# Altium PCB FPC-L-V2.1.PcbDoc
Units mm, origin at the board's own origin, x right, y up, seen from the top; angles counter-clockwise.
Board outline 16.62 x 30.56 mm, 2 copper layers (Top Layer, Bottom Layer); 10 components, 11 nets, 36 pads, 44 vias.
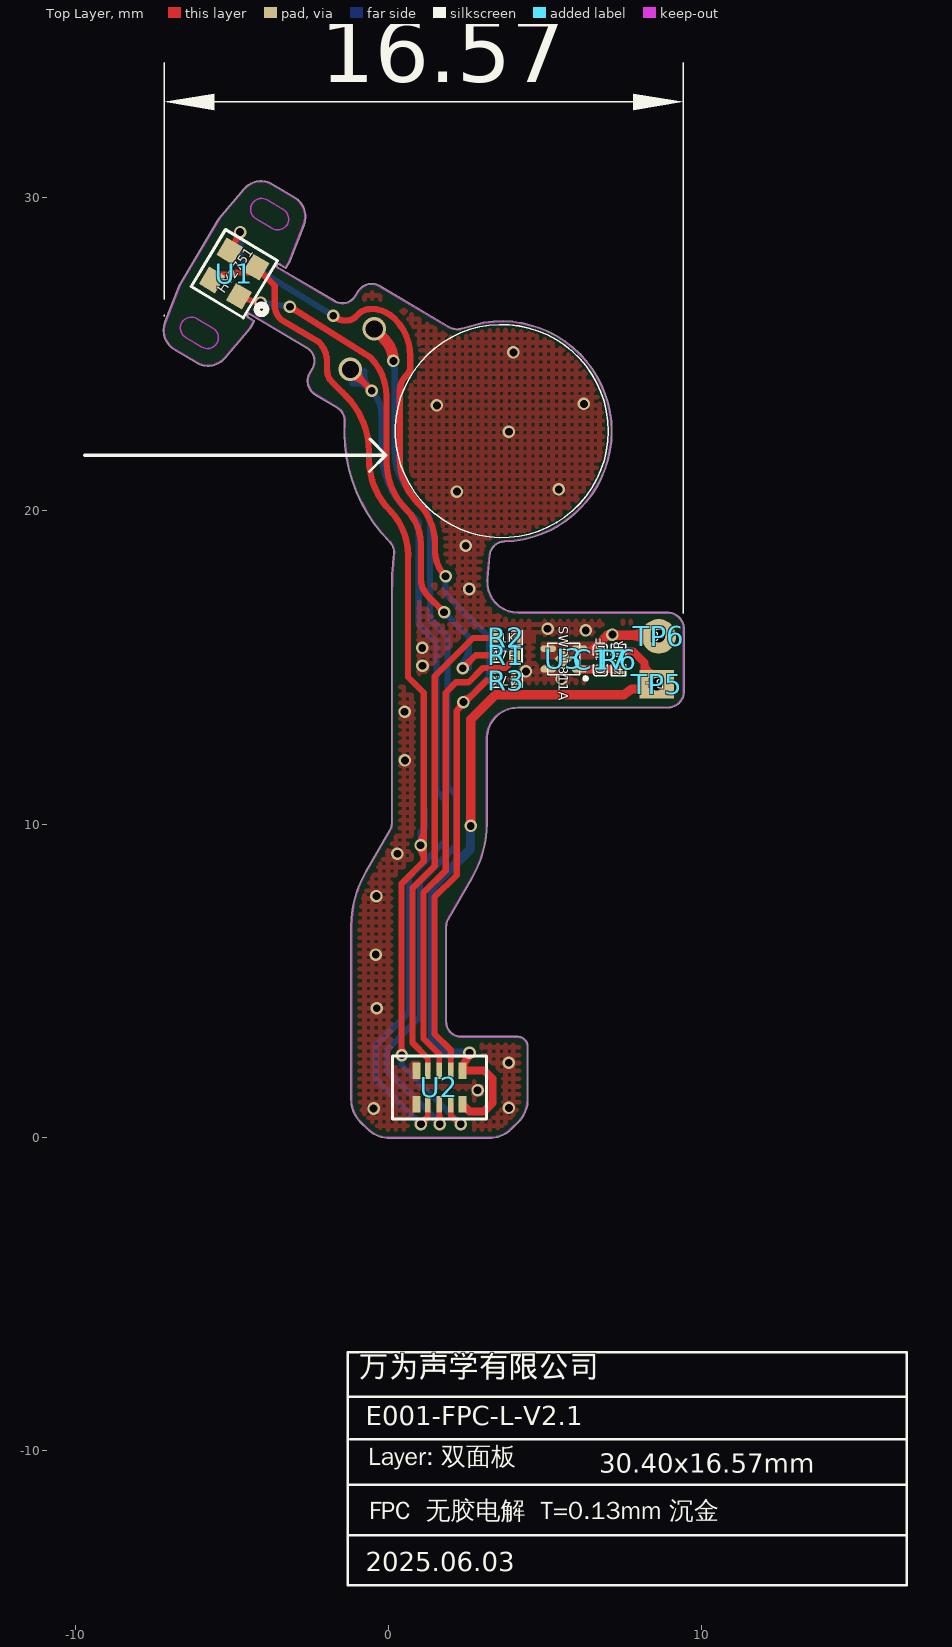
[diagram p0: Top Layer view]
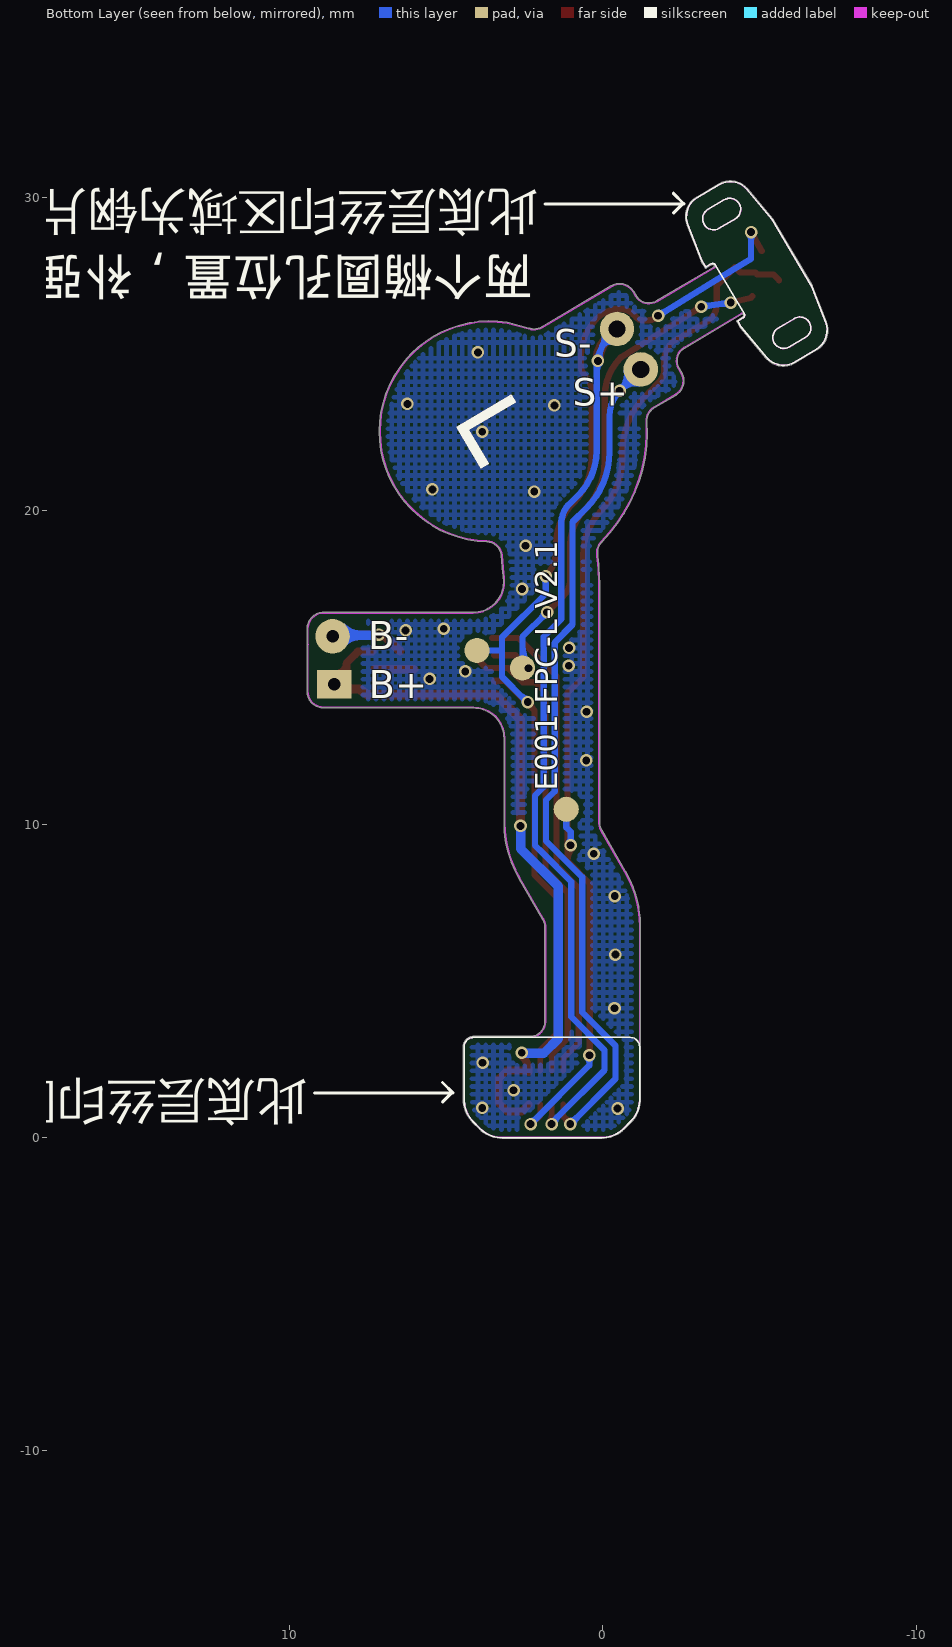
[diagram p1: Bottom Layer view, seen from below]
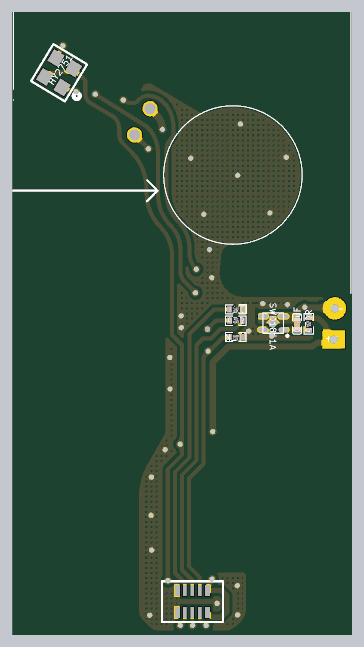
[diagram p2: 3D render of the assembled board from above, using the file's embedded part models]

## Layer stack, top to bottom
Top Layer: signal copper 0.0356
Dielectric: dielectric 0.32, FR-4, Dk 4.8
Bottom Layer: signal copper 0.0356

## Board outline
1245 vertices, not listed, extent -7.18,-0.022 9.44,30.533

## Design rules (kind name [scope] priority, off if disabled: settings)
Clearance [All] p1: gap=0.15
ComponentClearance [All] p1: gap=0 collisioncheckmode=3 verticalgap=0 showdistances=FALSE
HoleToHoleClearance [All] p1: gap=0 allowstackedmicrovias=TRUE
MinimumSolderMaskSliver [All] p1: minsoldermaskwidth=0
PlaneConnect [All] p1: planeconnectstyle=Direct reliefexpansion=0.508 reliefentries=4 reliefconductorwidth=0.254 reliefairgap=0.254
PolygonConnect [All] p1: connectstyle=Direct reliefconductorwidth=0.254 reliefentries=4 polygonreliefangle="45 Angle"
RoutingVias [All] p1: holewidth=0.25 width=0.4 viastyle="Through Hole" minholewidth=0.2 minwidth=0.4 maxholewidth=0.711 maxwidth=1.27
SilkToSilkClearance [All] p1: silktosilkclearance=0
SilkscreenOverComponentPads SilkToSolderMaskClearance [IsPad] p1: minsilkscreentomaskgap=0
SolderMaskExpansion [All] p1: expansion=0.05
Width [All] p1: maxlimit=0.5 minlimit=0.15 preferedwidth=0.15
22 further rules are at their usual default settings.

## Components (designator, comment, footprint, x,y, rotation, side; value= is the part's Value field where it differs from the comment)
C17 "0.1uF" C0201 6.77,15.535 r270 top
R1 "47R" R0201 3.47,15.4 r0 top
R2 "1K" R0201 4.06,15.95 r180 top
R3 "47K" R0201 4.055,14.59 r180 top
R6 "470R" R0201 7.35,15.535 r270 top
TP5 "B+" TP#1 8.57,14.47 r60 top
TP6 "B-" TP#2 8.63,16 r90 top
U1 "HY2751" SMD_HY -4.917,27.574 r239 top
U2 "" KX035GM-08 1.63,1.6 r0 top
U3 "SWD1811A" DFN1X1-4 6.103,14.955 r90 top

## Footprints (in the part's own frame and the unit in brackets; to place one, negate y for a bottom-side part, rotate by r counter-clockwise, add the part's x,y. Pads: shape width x height; smd on the part's side, far side on the other; paste and mask are expansions set on the pad)
C0201 [mm]
  rect 0.3x0.3 smd: 1(0,0) 2(0.58,0)
  silkscreen extent -0.22,-0.23 0.8,0.22, body extent 0,-0.15 0.6,0.15, height 0.15
DFN1X1-4 [mm]
  rect 0.4x0.4 smd rot 45: 0(0.325,0.513)
  oval 0.22x0.5 smd: 1(0,0) 2(0.65,0) 3(0.65,1) 4(0,1)
  silkscreen extent -0.35,-0.25 0.83,1.01
KX035GM-08 [mm]
  rect 0.18x0.53 smd: 1(-0.367,-0.54) 2(0,-0.54) 3(0.367,-0.54) 5(0.367,0.54) 6(0,0.54) 7(-0.367,0.54)
  rect 0.25x0.53 smd: 4(0.735,-0.54) 4(0.735,0.54) 8(-0.735,-0.54) 8(-0.735,0.54)
  silkscreen extent -1.5,-1 1.5,1
R0201 [mm]
  rect 0.3x0.3 smd: 1(0,0) 2(0.58,0)
  silkscreen extent -0.22,-0.23 0.8,0.22, body extent 0,-0.15 0.6,0.15, height 0.15
SMD_HY [mm]
  rect 0.65x0.6 smd: 1(0.54,0.5) 2(-0.54,0.5) 3(-0.54,-0.5) 4(0.54,-0.5)
  silkscreen extent -1.06,-0.97 1.06,1.48
TP#1 [mm]
  rect 0.9x1.1 hole 0.4 rot 30: 1(0,0)
TP#2 [mm]
  round 1.1 hole 0.4: 1(0,0)

## Part data
C17: library part CAP, "CAP"
R1: library part RC0201FR-07220RL
R2 R3: library part 0201WMF4702TEE
R6: library part RES, "RES"
TP5 TP6: library part TP-1, "TP"
U2: library part KX035GM-08
U3: library part XB6042

## Free pads (board coordinates)
  round 0.8 smd far side: 0(1.17,10.48) 1(4.02,15.55) 2(2.57,14.99)
  round 1.1 smd far side: 2(-0.45,25.81) 4(-1.21,24.52)

## Via types
v1: diameter 0.4, hole 0.25, Top Layer to Bottom Layer, tented both sides, 42 vias
v2: diameter 0.75, hole 0.55, Top Layer to Bottom Layer, 2 vias

## Nets (pads, with @x,y where several pads share a name; then routed paths per layer and width w, separated by ;. In a path a pad name is that pad's centre, name@x,y a point inside that pad or via, vN(x,y) a via of type N, cw(c..) or ccw(c..) an arc to the next point about the centre after c; other vN are vias at no path point)
BOAT_PL: R2.2 U2.7 | length 15.6
  Top Layer w0.18: U2.7 1.262,2.548
  Top Layer w0.2: 1.245,2.552 0.77,3.027 0.77,7.96 1.48,8.67 1.48,14.723 2.707,15.95 R2.2 R2.2@3.53,15.95
EAR_DET_IO0: R1.2 U2.6 | length 15.2
  Top Layer w0.18: U2.6 1.63,2.57
  Top Layer w0.2: 1.63,2.57 1.63,2.661 1.12,3.171 1.12,7.815 1.83,8.525 1.83,14.2 2.16,14.53 2.559,14.53 3.019,14.99 3.73,14.99 R1.2@4.04,15.3
EAR_DET_IO1: pad.1 R3.2 U1.3 U2.5 | length 41.1
  Top Layer w0.18: U2.5 1.997,2.55
  Top Layer w0.2: U1.3 v1(-4.73,28.9) ; -1.065,26.177 -0.962,26.281 cw(c-0.553,25.871) -0.553,26.45 ; -0.544,26.45 cw(c-0.553,25.381) 0.204,26.136 cw(c-0.995,24.938) 0.7,24.938 0.7,24.622 cw(c0.285,24.622) 0.579,24.329 0.565,24.315 ccw(c1.06,23.82) 0.36,23.82 0.36,22.3 ; 0.36,22.152 0.36,22.3 ; 1.49,18.608 1.49,18.728 ; v1@1.77,17.92 v1(1.825,17.92) ; v1@1.775,17.92 v1(1.825,17.92) ; 1.99,2.55 1.99,2.796 1.47,3.316 1.47,7.67 2.18,8.38 2.18,13.628 v1@2.397,13.846 ; 2.207,13.655 ccw(c1.987,13.876) v1@2.298,13.894 ; v1@2.452,13.9 3.132,14.581 R3.2@3.465,14.581 ; R3.2@3.425,14.54 R3.2@3.465,14.581 ; -4.848,28.689 ccw(c-5.058,28.807) -4.826,28.873 cw(c-5.058,28.807) -4.848,28.689 ; -4.848,28.689 cw(c-4.637,28.572) -4.703,28.804 ccw(c-4.637,28.572) -4.848,28.689 ; v1@-1.759,26.229 ccw(c-1.4,26.587) -1.4,26.08 -1.398,26.08 ; v1@-1.759,26.229 cw(c-1.398,26.592) v1(-1.76,26.23) v1@-1.759,26.229 ; v1@-1.759,26.229 ccw(c-1.398,26.592) -1.398,26.08 ; -1.398,26.08 -1.3,26.08 ; -1.3,26.08 ccw(c-1.3,26.412) -1.066,26.177 cw(c-1.3,26.412) -1.3,26.08 ; 0.36,22.3 0.36,21.674 ccw(c2.374,21.674) 0.95,20.25 cw(c-0.354,18.946) 1.49,18.946 1.49,18.728 ; 1.49,18.728 ccw(c2.633,18.728) v1(1.825,17.92) ; R3.2@3.465,14.581 R3.2 3.472,14.581 R3.2@3.465,14.581 ; v1@2.397,14 ccw(c2.397,14.372) 2.661,14.109 cw(c2.397,14.372) v1@2.397,14
  Bottom Layer w0.2: v1(-4.73,28.9) -4.73,28.05 -4.49,27.903 -4.021,27.615 v1(-1.76,26.23) ; 1.825,17.362 3.22,15.966 3.22,15.55 ; 1.825,17.38 v1(1.825,17.92) ; v1(2.397,13.9) v1@2.417,13.92 ; v1@2.4,13.92 v1@2.417,13.92 ; v1@2.49,13.92 v1@2.417,13.92 ; v1@2.49,13.98 3.22,14.71 3.22,15.55 ; 2.559,14.049 ccw(c2.709,13.9) 2.497,13.9 cw(c2.739,13.9) 2.568,14.071 cw(c2.397,14.241) 2.397,14 ccw(c2.397,14.272) 2.59,14.08 ; pad.1@3.94,15.56 3.93,15.55 3.22,15.55 ; -4.73,28.659 ccw(c-4.971,28.659) -4.801,28.829 cw(c-4.971,28.659) -4.73,28.659 ; -4.73,28.659 cw(c-4.489,28.659) -4.659,28.829 ccw(c-4.489,28.659) -4.73,28.659 ; -1.966,26.356 ccw(c-1.84,26.562) -1.783,26.327 cw(c-1.84,26.562) -1.966,26.356 ; -1.966,26.356 cw(c-2.092,26.15) -1.857,26.207 ccw(c-2.092,26.15) -1.966,26.356 ; 1.825,17.679 ccw(c1.583,17.679) 1.754,17.849 cw(c1.583,17.679) 1.825,17.679 ; 1.825,17.679 cw(c2.066,17.679) 1.896,17.849 ccw(c2.066,17.679) 1.825,17.679
GND: R2.1 R3.1 U2.8 U3.4
  other v1: -0.47,0.93 3.85,0.95 2.85,1.51 3.84,2.39 -0.37,4.13 -0.4,5.84 -0.38,7.71 0.29,9.06 0.53,12.04 0.52,13.59 5.53,14.64 4.391,14.88 1.09,15.06 1.08,15.63 6.3,16.19 5.08,16.24 2.58,17.51 2.47,18.89 2.19,20.62 5.44,20.69 3.85,22.53 1.55,23.37 6.24,23.42 3.99,25.06
IOVDD: pad.0 U1.2 U1.4 U2.3 | length 38.6
  Top Layer w0.18: U2.3 1.997,0.704 ; 2,0.701 1.997,0.704 ; v1(2.31,0.43) 2.266,0.43 1.997,0.699 1.997,0.704
  Top Layer w0.2: U1.4 -5.441,27.552 -4.92,27.552 -4.86,27.612 -4.378,27.612 U1.2 -4.21,27.771 -3.63,27.191 -3.63,26.588 ccw(c-2.965,26.588) -3.435,26.118 ; -3.42,26.11 -2.203,25.383 ; -2.205,25.38 cw(c-2.797,24.788) -1.96,24.788 -1.96,24.52 ccw(c-1.381,24.52) -1.791,24.111 -1.475,23.795 ; -1.265,23.585 -1.475,23.795 ; 0.023,20.047 cw(c-1.453,18.57) 0.635,18.57 ; 0.083,19.987 cw(c0.066,19.97) 0.09,19.97 cw(c1.804,21.684) -0.62,21.684 -0.62,21.888 ccw(c-3.16,21.888) -1.364,23.684 -1.475,23.795 ; v1@0.42,2.64 0.42,8.105 1.13,8.815 v1@1.13,9.28 ; 0.63,18.66 0.63,18.19 0.63,16.42 0.63,16.31 0.63,14.7 1.13,14.2 v1@1.13,9.28 ; v1@0.959,9.259 cw(c0.547,8.847) 1.13,8.847 ; v1@0.959,9.401 ccw(c0.547,9.813) 1.13,9.813 ; v1(1.03,9.33) 1.08,9.28 v1@1.13,9.28 ; v1@0.359,2.701 ccw(c0.213,2.847) 0.42,2.847 ; v1@0.359,2.701 ccw(c0.213,2.847) 0.42,2.847 ; v1@0.359,2.701 ccw(c0.213,2.847) 0.42,2.847 ; 0.42,2.896 ccw(c0.696,2.896) v1@0.501,2.701 ; 0.42,2.896 ccw(c0.696,2.896) v1@0.501,2.701 ; 0.42,2.896 ccw(c0.696,2.896) v1@0.501,2.701
  Bottom Layer w0.2: v1(0.43,2.63) 0.43,2.31 v1(2.31,0.43) ; v1@0.959,9.401 ccw(c0.789,9.571) 1.03,9.571 ccw(c1.271,9.571) v1@1.101,9.401 ; v1@1,9.36 v1(1.03,9.33) 1.03,9.76 1.17,9.9 pad.0 ; 0.43,2.389 ccw(c0.189,2.389) 0.359,2.559 cw(c0.189,2.389) 0.43,2.389 ; 0.43,2.389 cw(c0.671,2.389) 0.501,2.559 ccw(c0.671,2.389) 0.43,2.389 ; 2.139,0.601 ccw(c2.31,0.771) 2.31,0.53 cw(c2.31,0.771) 2.139,0.601 ; 2.139,0.601 cw(c1.969,0.43) 2.21,0.43 ccw(c1.969,0.43) 2.139,0.601
NetC17_2: C17.2 R6.2 U3.1 | length 2
  Top Layer w0.25: U3.1@6.013,14.945 6.02,14.953 6.72,14.953 7.292,14.953 R6.2@7.3,14.96 ; U3.1@6.045,14.945 C17.2@6.72,14.945
NetR1_1: pad.2@2.57,14.99 R1.1 U1.1 | length 23.7
  Top Layer w0.2: U1.1 -4.709,26.797 v1(-4.08,26.65) ; v1(-3.14,26.52) -0.58,24.91 cw(c-1.835,23.655) -0.06,23.655 -0.06,21.585 ; -0.06,21.45 -0.06,21.585 ; 1.266,17.284 cw(c1.813,17.83) 1.04,17.83 1.04,18.929 ccw(c-0.531,18.929) 0.58,20.04 cw(c2.125,21.585) -0.06,21.585 ; 1.266,17.284 v1(1.78,16.77) 1.75,16.77 v1@1.74,16.76 ; v1@1.68,16.77 ccw(c1.439,16.77) 1.609,16.941 ccw(c1.78,17.111) v1@1.78,16.87 ; v1@2.373,15.08 ccw(c2.373,15.321) 2.544,15.151 ccw(c2.714,14.98) v1@2.473,14.98 ; v1@2.43,15.037 2.793,15.4 R1.1 ; -4.315,26.705 ccw(c-4.26,26.94) -4.133,26.735 cw(c-4.26,26.94) -4.315,26.705 ; -4.315,26.705 cw(c-4.37,26.47) -4.165,26.597 ccw(c-4.37,26.47) -4.315,26.705 ; -2.936,26.391 ccw(c-3.064,26.187) -3.118,26.422 cw(c-3.064,26.187) -2.936,26.391 ; -2.936,26.391 cw(c-2.807,26.596) -3.042,26.542 ccw(c-2.807,26.596) -2.936,26.391
  Bottom Layer w0.2: v1(-4.08,26.65) -3.803,26.612 v1(-3.14,26.52) ; v1@1.78,16.67 cw(c1.78,16.429) 1.951,16.599 cw(c2.121,16.77) v1@1.88,16.77 ; v1@1.81,16.74 2.57,15.98 pad.2@2.57,14.99 ; pad.2@2.302,15.051 ccw(c1.656,15.697) 2.57,15.697 ; pad.2@2.444,14.909 ccw(c2.139,15.214) pad.2@2.57,15.214 ; v1@-4.02,26.57 cw(c-3.874,26.378) -3.841,26.617 ; v1@-4.02,26.57 cw(c-3.874,26.378) -3.841,26.617 ; v1@-4.02,26.57 cw(c-3.874,26.378) -3.841,26.617 ; v1@-4.02,26.57 cw(c-3.874,26.378) -3.841,26.617 ; v1@-4.02,26.57 cw(c-3.874,26.378) -3.841,26.617 ; v1@-4.02,26.57 cw(c-3.874,26.378) -3.841,26.617 ; v1@-4,26.71 ccw(c-3.808,26.856) -3.841,26.617 ; v1@-4,26.71 ccw(c-3.808,26.856) -3.841,26.617 ; v1@-4,26.71 ccw(c-3.808,26.856) -3.841,26.617 ; v1@-4,26.71 ccw(c-3.808,26.856) -3.841,26.617 ; v1@-4,26.71 ccw(c-3.808,26.856) -3.841,26.617 ; v1@-4,26.71 ccw(c-3.808,26.856) -3.841,26.617 ; -3.379,26.553 ccw(c-3.346,26.792) -3.2,26.6 cw(c-3.346,26.792) -3.379,26.553 ; -3.379,26.553 cw(c-3.412,26.314) -3.22,26.46 ccw(c-3.412,26.314) -3.379,26.553
  other v1: 2.373,14.98
SPKN: pad.2@-0.45,25.81 U2.2 | length 33
  Top Layer w0.18: v1@1.63,0.47 U2.2 ; v1@1.562,0.508 ccw(c1.399,0.671) 1.63,0.671 cw(c1.399,0.671) v1@1.562,0.508 ; 1.63,0.72 ccw(c1.93,0.72) 1.718,0.508 cw(c1.93,0.72) 1.63,0.72
  Top Layer w0.2: v2(-0.45,25.81) v2@-0.189,25.549 ; v2@-0.189,25.549 cw(c-1.009,24.73) 0.15,24.73 0.18,24.76 0.16,24.78 v1(0.16,24.79) ; v1@1.63,0.47 v1@1.65,0.45
  Top Layer w0.35: v2(-0.45,25.81) -0.189,25.549 -0.137,25.497 cw(c-0.854,24.78) v1(0.16,24.79) cw(c-0.854,24.78) v1@0.16,24.78
  Bottom Layer w0.2: v2(-0.45,25.81) -0.189,25.549 cw(c-1.009,24.73) 0.15,24.73 0.18,24.76 0.16,24.78 v1(0.16,24.79) ; v1@0.089,24.719 cw(c-0.178,24.452) 0.2,24.452 ; 0.2,22.399 0.2,22.51 ; v1@0.2,24.67 0.2,22.51 ; 1.32,19.65 ccw(c0.547,19.65) 1.094,20.196 0.79,20.5 cw(c2.214,21.924) 0.2,21.924 0.2,22.51 ; 1.33,19.67 1.33,16.96 1.33,16.55 1.89,15.99 1.89,11.194 2.017,11.067 2.17,10.914 2.17,10.43 2.17,9.33 1.925,9.085 1.01,8.17 1.01,7.9 1.01,3.855 -0.05,2.795 -0.05,2.156 1.444,0.663 ; v1@1.608,0.498 v1@1.64,0.466 ; v1(1.64,0.43) v1@1.64,0.466 ; 1.444,0.663 cw(c1.211,0.43) 1.54,0.43 ccw(c1.211,0.43) 1.444,0.663 ; 1.444,0.663 v1@1.64,0.466
SPKP: pad.4 U2.1 | length 37.7
  Top Layer w0.18: v1(1.04,0.43) 1.04,0.452 1.262,0.675 U2.1 ; v1@1.04,0.54 ccw(c1.04,0.752) 1.19,0.602 cw(c1.04,0.752) v1@1.04,0.54 ; v1@1.15,0.43 cw(c1.469,0.43) 1.244,0.656 ccw(c1.469,0.43) v1@1.15,0.43
  Top Layer w0.2: v2(-1.21,24.52) v1(-0.53,23.84) ; v1@-0.63,23.84 ccw(c-0.871,23.84) -0.701,24.011 ccw(c-0.53,24.181) v1@-0.53,23.94 ; -0.783,24.093 ccw(c-1.21,23.666) -1.21,24.27 cw(c-1.21,23.666) -0.783,24.093 ; -0.783,24.093 cw(c-0.356,24.52) -0.96,24.52 ccw(c-0.356,24.52) -0.783,24.093
  Bottom Layer w0.2: v2(-1.21,24.52) v1@-0.564,23.874 ; pad.4@-1.152,24.074 cw(c-1.061,23.376) v1@-0.564,23.874 ; pad.4@-0.764,24.462 ccw(c-0.066,24.371) v1@-0.564,23.874 ; v1@-0.63,23.84 ccw(c-0.871,23.84) -0.701,24.011 ccw(c-0.53,24.181) v1@-0.53,23.94 ; -0.21,21.87 -0.21,23.02 ; -0.209,21.881 ccw(c2.331,21.881) 0.535,20.085 0.97,19.65 0.97,16.376 1.53,15.816 1.53,15.8 1.54,15.79 1.54,11.049 1.82,10.769 1.82,9.475 0.66,8.315 0.66,4 -0.4,2.94 -0.4,1.87 v1(1.04,0.43) ; pad.4@-1.21,24.27 cw(c-1.21,23.666) -0.783,24.093 ; pad.4@-1.21,24.27 cw(c-1.21,23.666) -0.783,24.093 ; pad.4@-1.21,24.27 cw(c-1.21,23.666) -0.783,24.093 ; pad.4@-0.96,24.52 ccw(c-0.356,24.52) -0.783,24.093 ; pad.4@-0.96,24.52 ccw(c-0.356,24.52) -0.783,24.093 ; pad.4@-0.96,24.52 ccw(c-0.356,24.52) -0.783,24.093 ; v1@-0.564,23.874 cw(c-1.417,23.02) -0.21,23.02 ; v1@-0.564,23.874 cw(c-1.417,23.02) -0.21,23.02 ; 0.869,0.601 ccw(c1.04,0.771) 1.04,0.53 cw(c1.04,0.771) 0.869,0.601 ; 0.869,0.601 cw(c0.699,0.43) 0.94,0.43 ccw(c0.699,0.43) 0.869,0.601
VBAT: R6.1 TP5.1 U2.4 | length 24.3
  Top Layer w0.25: U2.4@2.365,1.06 2.593,0.832 3.052,0.832 3.325,1.105 3.325,1.883 3.07,2.138 ; U2.4@2.365,2.097 cw(c3.066,2.097) v1@2.636,2.651 ; U2.4@2.365,2.14 3.07,2.14 ; R6.1@7.35,15.515 7.815,15.515 7.905,15.425 8.175,15.155 ; TP5.1@8.502,14.793 cw(c8.538,15.155) 8.175,15.155 ; TP5.1 8.175,14.865 8.175,15.155
  Top Layer w0.3: v1(2.63,9.95) 2.63,13.345 3.418,14.134 7.514,14.134 7.77,14.32 TP5.1@8.48,14.32
  Bottom Layer w0.3: v1@2.58,2.69 1.89,2.69 1.42,3.16 1.42,8.014 2.621,9.216 2.621,9.941 v1(2.63,9.95)
  other v1: 2.59,2.71
VBAT-: C17.1 TP6.1 U3.0 U3.2 U3.3 | length 4.1
  Top Layer w0.3: 6.49,15.54 6.985,16.035 7.146,16.035 v1@7.25,16.035 ; v1@7.004,16.016 7.111,16.016 v1(7.15,16.055) ; v1@7.075,16.035 v1@7.205,16.035 ; v1@7.2,16.04 v1@7.205,16.035 ; TP6.1@8.64,16.03 8.635,16.035 v1@7.205,16.035
  Bottom Layer w0.3: v1@7.2,16.04 7.205,16.035 8.635,16.035 TP6.1@8.64,16.03

## Polygon pours and split planes (outlines as drawn)
VBAT- on Top Layer "Top Layer-No Net" (solid, remove dead copper, pour order 1000): 4.86,15.78 4.86,15.27 6.92,15.27 6.92,15.774 6.89,15.793 6.85,15.82 5.079,15.82 4.92,15.82 4.86,15.78
GND on Top Layer "Top Layer-No Net" (hatched 90Degree grid 0.25 track 0.15, remove dead copper, pour order 1001): -7.2,30.73 -7.17,30.7 -7.17,-0.05 9.47,-0.05 9.53,0.01 9.7,0.18 9.7,30.82 -7.05,30.82 -7.11,30.76
GND on Top Layer "Top Layer-No Net" (solid, remove dead copper, pour order 1002): 3.78,16.17 3.79,16.16 3.79,15.78 4.69,15.78 4.7,15.77 4.71,15.78 4.71,16.17 3.81,16.17 3.79,16.15
GND on Bottom Layer "Top Layer-No Net" (hatched 90Degree grid 0.25 track 0.15, remove dead copper, pour order 1003): -7.32,30.73 -7.32,-0.15 9.32,-0.15 9.51,0.04 9.61,0.14 9.61,30.77 -7.23,30.77 -7.37,30.63

## Keep-outs
Keep-Out Layer:
  circle w0.025: c9.415,15.739 r0.012
  circle w0.025: c-7.156,25.764 r0.012
  lines w0.05: -6.674,27.126 cw(c-6.385,27.057) -6.668,27.148 -6.666,27.152 cw(c-6.388,27.058) -6.665,27.157 cw(c-6.385,27.057) -6.663,27.162 cw(c-6.383,27.056) -6.66,27.168 cw(c-6.38,27.055) -6.658,27.175 cw(c-6.377,27.054) -6.654,27.182 cw(c-6.374,27.053) -6.65,27.192 -6.647,27.196 -6.646,27.198 -6.645,27.201 -6.644,27.203 -6.642,27.205 -6.641,27.207 -6.64,27.209 -5.418,29.275 -5.418,29.276 cw(c-5.141,29.109) -5.414,29.281 cw(c-5.144,29.111) -5.411,29.286 -5.408,29.291 -5.405,29.295 -5.402,29.299 -5.399,29.303 -5.397,29.307 -5.394,29.31 cw(c-5.164,29.126) -5.378,29.328 ; -6.662,27.165 -7.108,26.018 ccw(c-6.456,25.764) -6.812,25.161 -6.114,24.749 ccw(c-5.757,25.351) -5.221,24.902 -4.431,25.846 -4.429,25.847 -4.427,25.85 -4.424,25.853 -4.422,25.856 -4.42,25.86 -4.417,25.863 -4.414,25.867 -4.412,25.871 -4.409,25.875 ccw(c-4.677,26.05) -4.406,25.88 ccw(c-4.68,26.052) -4.402,25.886 -4.3,26.058 -4.472,26.16 cw(c-4.414,26.255) -4.477,26.162 cw(c-4.415,26.254) -4.48,26.164 cw(c-4.416,26.253) -4.482,26.166 cw(c-4.416,26.252) -4.485,26.168 cw(c-4.417,26.251) -4.486,26.17 cw(c-4.418,26.25) -4.488,26.171 cw(c-4.418,26.25) -4.49,26.173 cw(c-4.419,26.249) -4.491,26.174 cw(c-4.42,26.248) -4.493,26.175 cw(c-4.421,26.247) -4.494,26.177 cw(c-4.421,26.247) -4.495,26.178 cw(c-4.422,26.246) -4.497,26.18 cw(c-4.423,26.245) -4.498,26.181 cw(c-4.424,26.245) -4.499,26.182 cw(c-4.424,26.244) -4.5,26.184 cw(c-4.426,26.243) -4.502,26.187 cw(c-4.425,26.243) -4.504,26.189 cw(c-4.424,26.244) -4.505,26.191 cw(c-4.424,26.244) -4.507,26.194 cw(c-4.423,26.245) -4.509,26.197 cw(c-4.421,26.246) -4.517,26.216 cw(c-4.422,26.246) -4.519,26.221 cw(c-4.421,26.246) -4.522,26.242 cw(c-4.422,26.246) -4.522,26.247 cw(c-4.423,26.246) -4.521,26.25 cw(c-4.424,26.246) -4.521,26.253 cw(c-4.425,26.246) -4.521,26.256 cw(c-4.426,26.246) -4.52,26.26 cw(c-4.426,26.246) -4.52,26.262 cw(c-4.425,26.246) -4.52,26.264 cw(c-4.424,26.246) -4.52,26.266 cw(c-4.423,26.245) -4.519,26.267 cw(c-4.422,26.245) -4.519,26.269 cw(c-4.421,26.245) -4.518,26.271 cw(c-4.42,26.245) -4.518,26.273 cw(c-4.419,26.244) -4.517,26.274 cw(c-4.418,26.244) -4.517,26.276 cw(c-4.417,26.244) -4.516,26.278 cw(c-4.416,26.243) -4.515,26.281 cw(c-4.415,26.243) -4.514,26.283 cw(c-4.414,26.243) -4.513,26.285 cw(c-4.413,26.242) -4.512,26.288 cw(c-4.412,26.242) -4.51,26.291 cw(c-4.411,26.241) -4.508,26.297 -4.487,26.332 ; -5.39,29.315 -4.6,30.259 cw(c-4.063,29.809) -3.707,30.412 -3.009,29.999 cw(c-3.365,29.397) -2.713,29.143 -3.159,27.996 -3.16,27.992 -3.162,27.989 -3.163,27.985 -3.165,27.981 -3.167,27.977 -3.169,27.973 -3.171,27.969 -3.173,27.964 -3.176,27.959 cw(c-3.459,28.114) -3.179,27.954 -3.18,27.951 -3.282,27.779 -3.454,27.881 ccw(c-3.509,27.785) -3.461,27.885 ccw(c-3.509,27.786) -3.465,27.886 ccw(c-3.508,27.787) -3.468,27.888 ccw(c-3.508,27.788) -3.47,27.889 ccw(c-3.508,27.789) -3.473,27.889 ccw(c-3.507,27.79) -3.475,27.89 ccw(c-3.507,27.791) -3.477,27.891 ccw(c-3.507,27.792) -3.479,27.891 ccw(c-3.506,27.793) -3.481,27.892 ccw(c-3.506,27.794) -3.483,27.892 -3.484,27.893 ccw(c-3.506,27.796) -3.486,27.893 ccw(c-3.505,27.797) -3.488,27.893 ccw(c-3.505,27.798) -3.489,27.894 ccw(c-3.505,27.799) -3.491,27.894 ccw(c-3.505,27.799) -3.495,27.894 ccw(c-3.505,27.798) -3.499,27.895 ccw(c-3.505,27.797) -3.503,27.895 ccw(c-3.505,27.796) -3.508,27.895 ccw(c-3.505,27.795) -3.514,27.895 ccw(c-3.505,27.794) -3.551,27.884 ccw(c-3.506,27.796) -3.556,27.881 ccw(c-3.507,27.797) -3.559,27.879 ccw(c-3.507,27.798) -3.562,27.877 ccw(c-3.508,27.799) -3.565,27.875 ccw(c-3.508,27.799) -3.567,27.874 ccw(c-3.507,27.798) -3.568,27.873 ccw(c-3.506,27.797) -3.57,27.872 ccw(c-3.506,27.796) -3.571,27.87 ccw(c-3.505,27.795) -3.572,27.869 ccw(c-3.504,27.795) -3.574,27.868 ccw(c-3.504,27.794) -3.575,27.867 ccw(c-3.503,27.793) -3.576,27.865 ccw(c-3.502,27.792) -3.578,27.864 ccw(c-3.501,27.792) -3.58,27.862 ccw(c-3.5,27.791) -3.581,27.86 ccw(c-3.499,27.79) -3.583,27.858 ccw(c-3.499,27.789) -3.585,27.855 ccw(c-3.498,27.789) -3.588,27.852 ccw(c-3.497,27.788) -3.591,27.846 -3.612,27.81 ; -4.48,26.336 -4.431,26.309 ; -4.439,26.314 -2.589,25.22 cw(c-2.843,24.789) -2.413,24.535 -2.489,24.406 ccw(c-2.059,24.151) -2.313,23.721 -1.624,23.313 cw(c-1.878,22.883) -1.379,22.852 ccw(c3.611,22.541) 0.052,19.029 0.055,19.026 0.058,19.023 0.06,19.02 0.063,19.017 0.066,19.014 0.068,19.011 0.071,19.008 0.074,19.005 0.077,19.002 cw(c-0.301,18.678) 0.129,18.928 cw(c-0.294,18.682) 0.138,18.913 0.141,18.907 cw(c-0.321,18.669) 0.189,18.767 0.19,18.761 0.191,18.755 0.192,18.749 0.193,18.743 0.194,18.737 0.195,18.73 cw(c-0.279,18.676) 0.196,18.72 cw(c-0.285,18.676) 0.197,18.711 cw(c-0.29,18.675) 0.197,18.701 cw(c-0.295,18.675) 0.198,18.69 cw(c-0.3,18.675) 0.198,18.677 cw(c-0.305,18.675) 0.198,18.662 cw(c-0.31,18.675) 0.197,18.642 cw(c-0.314,18.675) 0.195,18.617 ccw(c3.343,18.256) 0.189,18.559 0.164,18.302 ccw(c7.049,17.648) 0.141,17.987 0.141,17.985 0.141,17.98 0.141,17.975 0.14,17.97 0.14,17.965 0.14,17.96 0.14,17.955 0.14,17.95 0.139,17.946 0.139,17.941 0.139,17.936 0.139,17.931 0.139,17.927 0.138,17.922 0.138,17.917 0.138,17.913 0.138,17.909 0.138,17.904 0.138,17.9 0.137,17.895 0.137,17.891 0.137,17.887 0.137,17.883 0.137,17.878 0.137,17.874 0.136,17.87 0.136,17.866 0.136,17.862 0.136,17.858 0.136,17.854 0.136,17.85 0.136,17.847 0.136,17.843 0.135,17.839 0.135,17.835 0.135,17.831 0.135,17.828 0.135,17.824 0.135,17.821 0.135,17.817 0.135,17.813 0.135,17.809 0.135,17.805 0.134,17.801 0.134,17.798 0.134,17.794 0.134,17.79 0.134,17.787 0.134,17.783 0.134,17.779 0.134,17.776 0.134,17.772 0.134,17.769 0.134,17.765 ccw(c13.99,17.447) 0.132,17.66 ccw(c14.561,17.425) 0.13,17.322 0.13,10.053 cw(c-0.374,10.053) 0.122,9.966 cw(c-0.372,10.054) 0.063,9.803 ; -3.614,27.806 -3.556,27.767 ; -3.574,27.777 -1.723,26.683 ccw(c-1.469,27.113) -1.038,26.859 -0.962,26.988 cw(c-0.532,26.733) -0.277,27.164 1.942,25.852 ccw(c2.196,26.282) 2.373,25.814 3.056,25.996 cw(c3.611,22.541) 3.703,19.042 ccw(c3.717,18.542) 3.219,18.59 3.164,18.016 ccw(c12.133,17.201) 3.155,17.91 ccw(c11.043,17.287) 3.147,17.804 ccw(c4.145,17.739) 4.145,16.739 8.915,16.739 cw(c8.915,16.239) 9.415,16.239 9.415,14.239 cw(c8.915,14.239) 8.915,13.739 4.13,13.739 ccw(c4.13,12.739) 3.13,12.739 3.13,10.053 cw(c-0.382,10.054) 3.087,9.504 cw(c-0.375,10.054) 3.057,9.343 cw(c-0.372,10.054) 2.953,8.954 cw(c-0.375,10.055) 2.898,8.8 cw(c-0.381,10.058) 2.661,8.303 1.897,6.98 ; -0.877,0.51 cw(c-0.168,1.219) -1.023,0.696 cw(c-0.167,1.22) -1.045,0.733 cw(c-0.168,1.218) -1.131,0.941 cw(c-0.166,1.218) -1.142,0.983 cw(c-0.168,1.218) -1.17,1.217 -1.17,6.73 cw(c2.342,6.729) -1.127,7.278 cw(c2.335,6.729) -1.097,7.439 cw(c2.332,6.729) -0.993,7.829 cw(c2.335,6.728) -0.938,7.983 cw(c2.341,6.725) -0.701,8.48 0.063,9.803 ; -0.877,0.51 -0.663,0.296 ccw(c0.045,1.005) -0.478,0.15 ccw(c0.046,1.007) -0.44,0.128 ccw(c0.045,1.005) -0.232,0.042 ccw(c0.045,1.007) -0.19,0.031 ccw(c0.044,1.005) 0.044,0.003 3.216,0.003 ccw(c3.215,1.005) 3.45,0.031 ccw(c3.215,1.007) 3.492,0.042 ccw(c3.215,1.005) 3.7,0.128 ccw(c3.214,1.007) 3.738,0.15 ccw(c3.214,1.005) 3.923,0.296 4.137,0.51 ; 1.897,6.98 ccw(c2.332,6.729) 1.838,6.817 ccw(c2.334,6.729) 1.83,6.73 1.83,3.703 ccw(c2.331,3.704) 2.33,3.203 4.13,3.203 4.13,3.203 4.133,3.203 4.135,3.203 4.138,3.203 4.141,3.203 4.143,3.203 4.146,3.203 4.149,3.203 cw(c4.13,2.902) 4.192,3.197 cw(c4.13,2.905) 4.205,3.194 cw(c4.131,2.908) 4.214,3.191 cw(c4.129,2.901) 4.236,3.184 cw(c4.13,2.903) 4.311,3.143 cw(c4.129,2.902) 4.369,3.084 cw(c4.13,2.903) 4.41,3.01 cw(c4.128,2.902) 4.418,2.987 4.418,2.985 cw(c4.134,2.904) 4.421,2.976 cw(c4.129,2.903) 4.429,2.925 4.429,2.922 4.43,2.919 4.43,2.916 4.43,2.913 4.43,2.911 4.43,2.908 4.43,2.906 4.43,2.903 4.43,1.217 cw(c3.428,1.218) 4.402,0.983 cw(c3.426,1.218) 4.391,0.941 cw(c3.428,1.218) 4.305,0.733 cw(c3.426,1.22) 4.283,0.696 cw(c3.428,1.219) 4.137,0.51 ; -6.467,25.538 cw(c-6.288,25.839) -6.11,26.141 -5.594,25.835 cw(c-5.772,25.534) -5.95,25.233 -6.467,25.538 ; -4.227,29.325 cw(c-4.049,29.627) -3.87,29.928 -3.354,29.622 cw(c-3.532,29.321) -3.71,29.02 -4.227,29.325

## Other copper
Bottom Layer:
  pour cut-out: 7.66,16.72 7.66,13.74 9,13.74 9.4,14.14 9.4,16.37 9.03,16.74 7.68,16.74

## Silkscreen, mask and mechanical layers (free items; w line width, h text height)
Top Overlay:
  circle w0.025: c9.415,33.057 r0.012
  circle w0.025: c-7.149,26.236 r0.012
  circle w0.05: c3.621,22.551 r3.4
  region: -5.556,32.79 -7.156,33.057 -5.556,33.323
  region: 9.415,33.057 7.815,32.79 7.815,33.323
  lines w0.05: -7.156,26.764 -7.156,34.307 ; -5.556,33.057 7.815,33.057 ; 9.415,16.739 9.415,34.307
  lines w0.08: -1.29,-8.993 -1.29,-6.903 ; -1.29,-8.93 -1.29,-14.287 16.498,-14.287 ; -1.29,-8.278 16.498,-8.278 ; -1.289,-6.853 16.538,-6.853 16.538,-14.28 ; -1.275,-11.082 16.498,-11.082 ; -1.245,-12.692 16.498,-12.692 ; -1.217,-9.629 16.498,-9.629
  lines w0.1: -9.69,21.78 -0.08,21.78 -0.6,21.26 ; -0.58,22.29 -0.09,21.8 ; -0.09,21.8 -0.09,21.8
  text "16.57" at -2.17,33.682 h2
  text "此顶层丝印圆圈区域背双面胶" at -33.01,21.22 h2
  text "万为声学有限公司" at -0.944,-7.886 h1.2
  text "E001-FPC-L-V2.1" at -0.722,-9.183 h0.6
  text "Layer: 双面板" at -0.639,-10.646 h1
  text "30.40x16.57mm" at 6.73,-10.691 h0.6
  text "FPC  无胶电解  T=0.13mm 沉金" at -0.609,-12.366 h1
  text "2025.06.03" at -0.724,-13.845 h0.6
Bottom Overlay:
  drawing of 188 lines, arcs and shapes, not listed
  text "此底层丝印区域为钢片补强，厚度0.15mm" at 2.1,30.49 h2 r180
  text "两个椭圆孔位置，补强钢片开通孔" at 2.22,28.42 h2 r180
  text "S-" at 1.55,24.63 h1.5
  text "S+" at 0.96,23.07 h1.5
  text "B-" at 7.49,15.58 h0.9
  text "B+" at 7.48,14.03 h0.9
  text "E001-FPC-L-V2.1" at 1.21,11.07 h1.2 r270
  text "此底层丝印区域为钢片补强，厚度0.15mm" at 9.47,2.11 h2 r180
Mechanical 13:
  drawing of 309 lines, arcs and shapes, not listed
  text "S-" at 1.366,25.046 h0.7
  text "S+" at 0.666,23.546 h0.7
  text "B-" at 7.686,15.706 h0.7
  text "B+" at 7.686,13.956 h0.7
Mechanical 15:
  circle w0.05: c-5.18,27.124 r0.125
  circle w0.05: c-4.64,28.036 r0.125
  circle w0.05: c3.611,22.541 r3.4
  circle w0.05: c-1.208,24.519 r0.5
  circle w0.05: c-1.208,24.519 r0.25
  circle w0.05: c-0.444,25.81 r0.25
  circle w0.05: c-0.444,25.81 r0.5
  circle w0.05: c8.618,14.437 r0.5
  circle w0.05: c8.612,16.041 r0.5
  circle w0.05: c8.612,16.041 r0.2
  circle w0.05: c8.618,14.437 r0.2
  lines w0.05: -6.682,27.054 ccw(c-6.382,27.056) -6.648,26.917 ccw(c-6.383,27.056) -6.636,26.898 ccw(c-6.38,27.058) -6.606,26.857 ccw(c-6.384,27.055) -6.591,26.841 ccw(c-6.385,27.053) -6.582,26.833 ccw(c-6.386,27.052) -6.573,26.826 -6.57,26.823 -6.567,26.82 -6.563,26.817 -6.559,26.814 -6.555,26.811 ccw(c-6.374,27.068) -6.55,26.808 ccw(c-6.372,27.07) -6.545,26.805 ccw(c-6.371,27.073) -6.54,26.801 ccw(c-6.369,27.075) -6.535,26.798 -4.899,25.831 -4.645,26.261 cw(c-4.516,26.185) -4.439,26.314 ; -5.303,29.386 cw(c-5.16,29.122) -5.167,29.422 cw(c-5.16,29.124) -5.144,29.422 cw(c-5.161,29.119) -5.093,29.415 cw(c-5.159,29.125) -5.072,29.409 cw(c-5.157,29.131) -5.067,29.407 cw(c-5.158,29.128) -5.062,29.406 cw(c-5.159,29.126) -5.056,29.403 cw(c-5.16,29.123) -5.049,29.401 cw(c-5.161,29.12) -5.042,29.398 cw(c-5.163,29.117) -5.033,29.394 cw(c-5.164,29.115) -5.023,29.389 -5.02,29.388 -5.018,29.386 -5.016,29.385 -5.014,29.384 -5.012,29.383 -5.01,29.382 -5.007,29.38 -3.372,28.413 -3.627,27.983 ccw(c-3.497,27.907) -3.574,27.777 ; -6.108,27.127 -4.731,26.312 -3.713,28.034 -5.09,28.848 -6.108,27.127 ; -0.63,0.763 -0.63,2.443 0.63,2.443 0.63,2.343 0.88,2.343 0.88,2.493 0.98,2.493 0.98,2.343 1.23,2.343 1.23,2.493 1.33,2.493 1.33,2.343 1.58,2.343 1.58,2.493 1.68,2.493 1.68,2.343 1.93,2.343 1.93,2.493 2.03,2.493 2.03,2.343 2.28,2.343 2.28,2.493 2.38,2.493 2.38,2.343 2.63,2.343 2.63,2.443 3.89,2.443 3.89,0.763 2.63,0.763 2.63,0.863 2.38,0.863 2.38,0.713 2.28,0.713 2.28,0.863 2.03,0.863 2.03,0.713 1.93,0.713 1.93,0.863 1.68,0.863 1.68,0.713 1.58,0.713 1.58,0.863 1.33,0.863 1.33,0.713 1.23,0.713 1.23,0.863 0.98,0.863 0.98,0.713 0.88,0.713 0.88,0.863 0.63,0.863 0.63,0.763 -0.63,0.763 ; 0.114,1.241 0.114,1.965 3.146,1.965 3.146,1.241 0.114,1.241 ; 3.281,13.923 7.603,13.91 7.61,16.533 3.288,16.546 3.281,13.923